# Allegro board RK_EVB7_RK3588_LP4XD200P232SD8_V11_20230111YWQ.brd (continued)
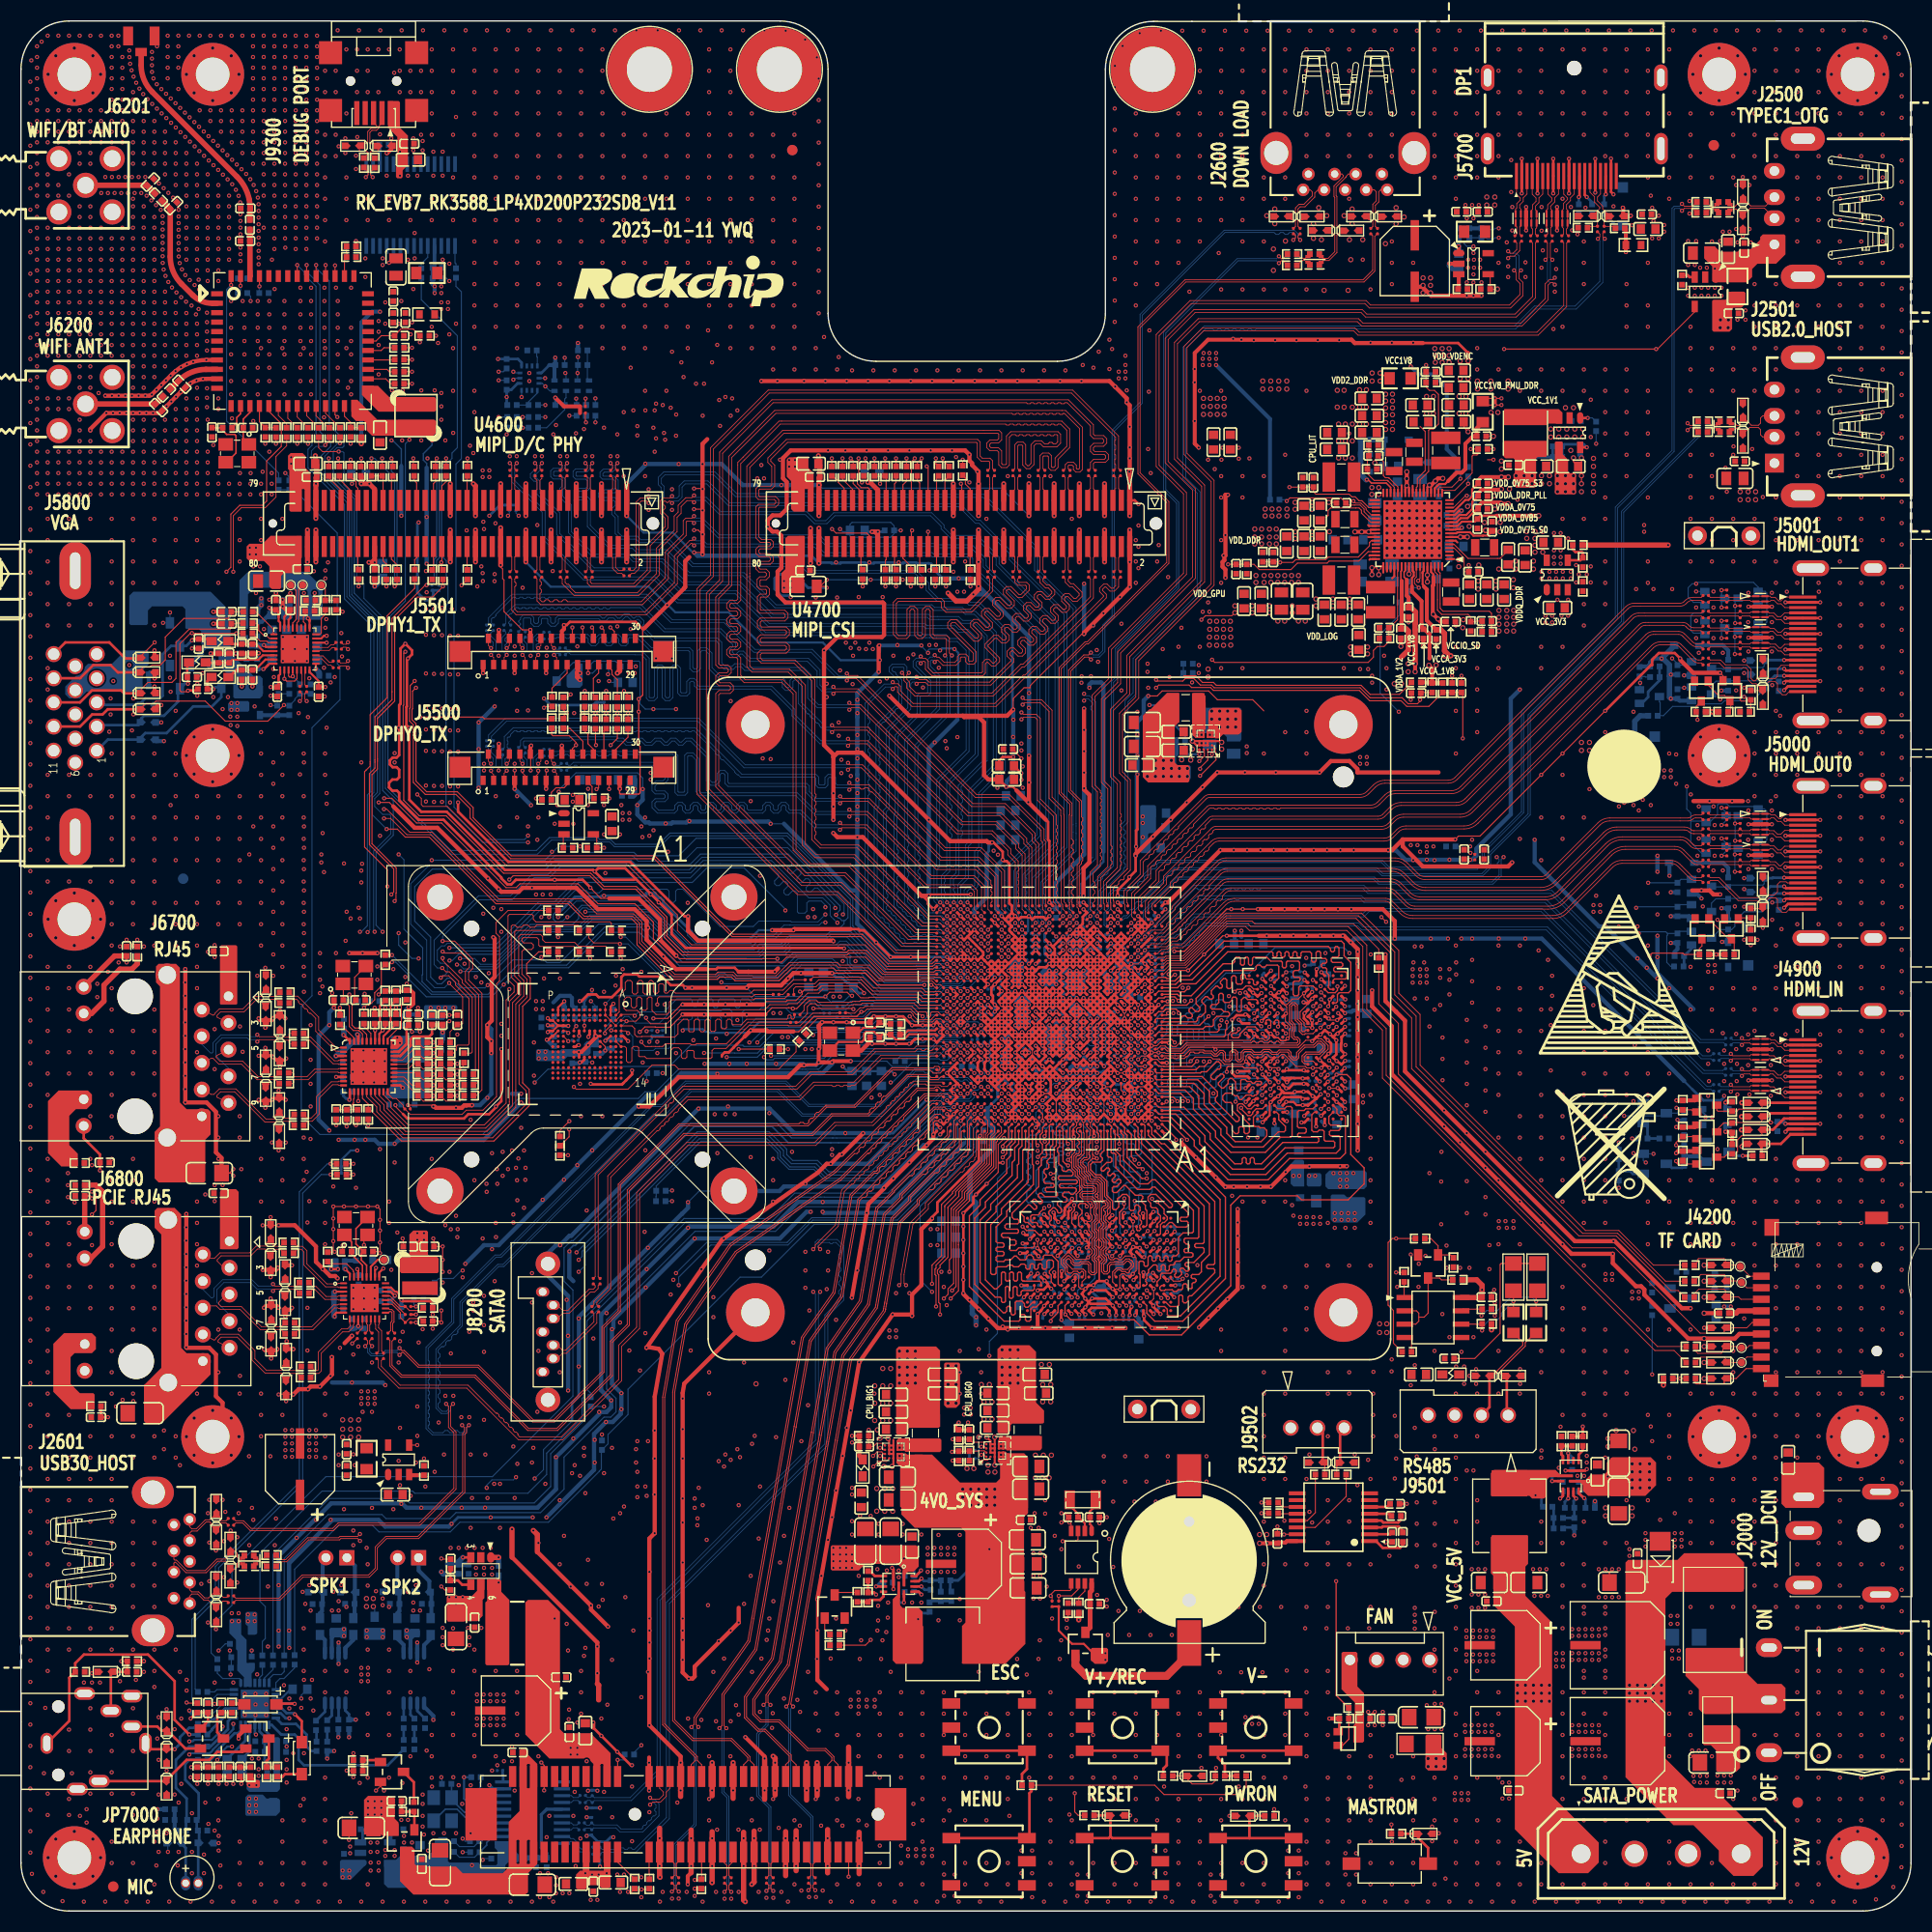
[diagram p0: board, top side]
## Routing (per net, layer and track width the routed paths; a pad name or vN(x,y) marks a point on that pad's centre or on a via; arc(x,y) is an arc through that point) (continued)
N63228233: length 1
  TOP w0.102: v1(99.43,65.55) 99.43,65.53 99.75,65.21 U3801.T2
  BOTTOM w0.102: v1(99.43,65.55) 99.67,65.79 R3817.1
N63228239: length 1.1
  TOP w0.102: v1(105.19,65.58) U3801.G2
  BOTTOM w0.102: R3816.2 105.46,65.85 v1(105.19,65.58)
N63228245: length 1.3
  TOP w0.102: U3801.A5 v1(109.82,63.1)
  BOTTOM w0.102: R3818.2 110.26,62.67 v1(109.82,63.1)
N63228247: length 2
  TOP w0.102: U3801.A8 109.5,60.24 109.75,59.98 110.29,59.98
  TOP w0.104: 110.29,59.98 110.41,59.98 v1(110.64,60.21)
  BOTTOM w0.102: R3819.2 110.29,60.24
  BOTTOM w0.104: v1(110.64,60.21) 110.62,60.24 110.29,60.24
N63380732: length 1
  TOP w0.102: U3800.T2 v1(117.43,79.66)
  BOTTOM w0.102: v1(117.43,79.66) 117.3,79.8 R3807.1
N63380738: length 0.9
  TOP w0.102: U3800.G2 v1(117.48,84.89)
  BOTTOM w0.102: v1(117.48,84.89) 117.46,84.88 R3806.2
N63380744: length 1.1
  TOP w0.089: U3800.A5 v1(120.49,89.4)
  BOTTOM w0.102: R3809.2 121.03,89.47 120.56,89.47 v1(120.49,89.4)
N63380746: length 0.9
  TOP w0.254: v1(122.26,89.38) U3800.A8
  BOTTOM w0.102: v1(122.26,89.38) 122.18,89.47 121.84,89.47 R3810.2
N65887084: length 0.9
  TOP w0.254: U1000.W8 v1(104.44,85.65)
  BOTTOM w0.254: R1200.1 104.43,85.64 v1(104.44,85.65)

## Copper pours and planes (outline as drawn; the poured copper is in the pictures)
GND on TOP (solid shape): 89.43,52.11 89.43,48.3 89.05,47.92 88.16,47.92 87.91,48.17 87.91,52.11 88.04,52.24 89.31,52.24
GND on L6-S2 (solid shape): 72.64,40.04 72.66,39.93 72.56,39.87 61.07,39.87 60.38,40.56 60.36,40.67 60.46,40.73 71.95,40.73
GND on L6-S2 (solid shape): 125.83,63.97 125.93,63.91 125.91,63.8 115.11,53 113.79,53 113.7,53.06 113.72,53.17 124.52,63.97
GND on L6-S2 (solid shape): 80.08,37.93 80.08,37.42 80.89,36.61 80.91,36.5 80.82,36.44 80.76,36.44 79.12,38.08 79.09,38.19 79.19,38.25 79.76,38.25
GND on L6-S2 (solid shape): 80.8,43.41 80.8,43.34 80.8,43.29 80.78,43.21 80.7,43.17 78.33,43.17 78.32,43.16 78.18,43.16 78.17,43.17 77.98,43.17 77.65,43.5 77.63,43.61 77.72,43.67 80.54,43.67
GND on L6-S2 (solid shape): 84.94,78.07 85.03,78.01 85.01,77.89 80.69,73.57 77.01,73.57 76.73,73.3 76.73,71.82 77.46,71.09 77.48,70.98 77.38,70.92 76.74,70.92 72.67,74.98 69.02,74.98 68.93,75.04 68.95,75.16 69.96,76.16 74.41,76.16 76.31,78.07
GND on L6-S2 (solid shape): 84.39,81.88 86.42,81.88 86.44,81.88 87.79,81.88 87.81,81.88 88.29,81.88 88.38,81.82 88.36,81.71 88.17,81.52 86.47,81.52 86.42,81.52 77.03,81.52 75.95,80.45 74.81,80.45 73.09,78.73 60.18,78.73 60.05,78.86 60.03,78.97 60.12,79.03 72.9,79.03 74.55,80.69 75.06,80.69 75.84,81.47 75.84,82.28 80.48,82.28 80.98,82.77 83.51,82.77
GND on L6-S2 (solid shape): 67.35,83.91 68.69,83.91 68.87,84.09 71.48,84.09 71.57,84.03 71.55,83.92 71.31,83.68 69.03,83.68 68.65,83.3 66.48,83.3 66.06,83.42 65.84,83.04 65.82,82.96 65.74,82.92 65.62,82.92 64.88,83.66 61.02,83.66 60.95,83.73 60.96,83.76 60.95,83.85 60.92,83.95 60.93,84.05 61.01,84.09 67.17,84.09
GND on L6-S2 (solid shape): 88.39,43.14 88.48,43.1 88.49,43 88.73,42.63 88.97,43 88.98,43.1 89.07,43.14 91.19,43.14 91.24,43.11 91.23,43.06 91.2,43.03 91.18,43 89.43,43 88.59,42.16 83.1,42.16 83.05,42.11 82.79,42.11 82.78,42.11 81.69,42.11 81.53,42.27 81.53,42.34 81.53,42.39 81.55,42.47 81.63,42.51 81.9,42.51 82.54,43.14
GND on L6-S2 (solid shape): 88.48,79.93 88.55,79.9 88.58,79.82 88.58,79.78 88.55,79.7 88.48,79.67 86.79,79.67 86.73,79.61 86.47,79.61 86.42,79.62 86.3,79.62 85.16,78.48 79.38,78.48 79.28,78.54 79.31,78.65 80.56,79.91 82.86,79.91 82.94,79.86 82.95,79.77 83.2,79.41 83.45,79.77 83.46,79.86 83.55,79.91 86.42,79.91 86.47,79.91 86.69,79.91 86.7,79.93
GND on L6-S2 (solid shape): 79.53,81.11 79.54,81.11 79.57,81.11 79.6,81.09 79.62,81.07 79.63,81.04 79.63,81.01 79.63,80.98 79.61,80.95 79.6,80.94 78.34,79.68 75.19,79.68 73.37,77.86 51.14,77.86 50.5,78.51 52.39,78.51 52.39,78.46 52.4,78.42 52.41,78.38 52.44,78.34 52.47,78.3 52.5,78.27 52.54,78.25 52.58,78.23 52.63,78.22 52.68,78.22 52.72,78.23 52.77,78.25 52.81,78.27 52.84,78.3 52.87,78.34 52.89,78.38 52.91,78.42 52.92,78.46 52.92,78.51 52.91,78.56 52.89,78.6 52.87,78.64 52.84,78.68 52.81,78.71 52.77,78.73 52.72,78.74 52.68,78.75 52.63,78.75 52.58,78.74 52.54,78.73 52.5,78.71 52.47,78.68 52.44,78.64 52.41,78.6 52.4,78.56 52.39,78.51 50.5,78.51 50.15,78.86 50.14,78.87 50.12,78.9 50.12,78.93 50.12,78.96 50.13,78.99 50.15,79.01 50.17,79.02 50.2,79.03 50.22,79.03 59.23,79.03 59.24,78.96 59.26,78.91 59.28,78.86 59.31,78.82 59.35,78.78 59.39,78.74 59.44,78.72 59.49,78.7 59.54,78.68 59.6,78.68 59.65,78.69 60.01,78.32 73.26,78.32 74.98,80.04 76.12,80.04 76.54,80.45 77.99,80.45 77.99,80.41 78,80.36 78.02,80.32 78.04,80.28 78.07,80.24 78.1,80.21 78.15,80.19 78.19,80.17 78.23,80.17 78.28,80.17 78.33,80.17 78.37,80.19 78.41,80.21 78.45,80.24 78.48,80.28 78.5,80.32 78.51,80.36 78.52,80.41 78.52,80.45 78.51,80.5 78.5,80.54 78.48,80.58 78.45,80.62 78.41,80.65 78.37,80.67 78.33,80.69 78.28,80.7 78.23,80.7 78.19,80.69 78.15,80.67 78.1,80.65 78.07,80.62 78.04,80.58 78.02,80.54 78,80.5 77.99,80.45 76.54,80.45 77.2,81.11
GND on L6-S2 (solid shape): 88.93,69.65 88.94,69.66 88.97,69.67 89,69.68 89.02,69.67 89.05,69.66 89.08,69.64 89.09,69.62 89.1,69.59 89.1,69.57 89.1,60.72 89.1,60.71 89.09,60.68 89.08,60.66 89.05,60.64 89.02,60.63 89,60.62 88.97,60.63 88.94,60.64 88.93,60.65 88.77,60.81 88.77,60.86 88.77,60.92 88.76,60.97 88.74,61.02 88.71,61.06 88.68,61.11 88.65,61.14 88.6,61.17 88.56,61.2 88.51,61.22 88.46,61.22 88.4,61.23 88.35,61.22 88.3,61.21 88.25,61.19 88.21,61.16 88.17,61.12 88.13,61.08 88.11,61.04 88.08,60.99 88.07,60.94 88.06,60.89 88.07,60.84 88.08,60.78 88.09,60.73 88.12,60.69 88.15,60.65 88.18,60.61 88.23,60.58 88.27,60.55 88.32,60.53 88.37,60.52 88.43,60.52 88.48,60.52 88.85,60.15 88.85,59.54 88.85,59.53 88.84,59.5 88.82,59.48 88.8,59.46 88.77,59.45 88.74,59.44 88.7,59.45 84.71,63.44 86.37,63.44 86.37,63.39 86.38,63.34 86.4,63.3 86.42,63.26 86.45,63.23 86.49,63.2 86.53,63.17 86.57,63.16 86.62,63.15 86.66,63.15 86.71,63.16 86.75,63.17 86.79,63.2 86.83,63.23 86.86,63.26 86.88,63.3 86.9,63.34 86.9,63.39 86.9,63.44 87.01,63.44 87.01,63.39 87.02,63.34 87.03,63.3 87.06,63.26 87.09,63.23 87.12,63.2 87.16,63.17 87.21,63.16 87.25,63.15 87.3,63.15 87.34,63.16 87.39,63.17 87.43,63.2 87.46,63.23 87.49,63.26 87.52,63.3 87.53,63.34 87.54,63.39 87.54,63.44 87.53,63.48 87.52,63.53 87.49,63.57 87.46,63.6 87.43,63.63 87.39,63.65 87.34,63.67 87.3,63.68 87.25,63.68 87.21,63.67 87.16,63.65 87.12,63.63 87.09,63.6 87.06,63.57 87.03,63.53 87.02,63.48 87.01,63.44 86.9,63.44 86.9,63.48 86.88,63.53 86.86,63.57 86.83,63.6 86.79,63.63 86.75,63.65 86.71,63.67 86.66,63.68 86.62,63.68 86.57,63.67 86.53,63.65 86.49,63.63 86.45,63.6 86.42,63.57 86.4,63.53 86.38,63.48 86.37,63.44 84.71,63.44 83.71,64.43 84.24,64.96 86.37,64.96 86.37,64.91 86.38,64.87 86.4,64.83 86.42,64.79 86.45,64.75 86.49,64.72 86.53,64.7 86.57,64.68 86.62,64.67 86.66,64.67 86.71,64.68 86.75,64.7 86.79,64.72 86.83,64.75 86.86,64.79 86.88,64.83 86.9,64.87 86.9,64.91 86.9,64.96 87.01,64.96 87.01,64.91 87.02,64.87 87.03,64.83 87.06,64.79 87.09,64.75 87.12,64.72 87.16,64.7 87.21,64.68 87.25,64.67 87.3,64.67 87.34,64.68 87.39,64.7 87.43,64.72 87.46,64.75 87.49,64.79 87.52,64.83 87.53,64.87 87.54,64.91 87.54,64.96 87.53,65.01 87.52,65.05 87.49,65.09 87.46,65.13 87.43,65.16 87.39,65.18 87.34,65.19 87.3,65.2 87.25,65.2 87.21,65.19 87.16,65.18 87.12,65.16 87.09,65.13 87.06,65.09 87.03,65.05 87.02,65.01 87.01,64.96 86.9,64.96 86.9,65.01 86.88,65.05 86.86,65.09 86.83,65.13 86.79,65.16 86.75,65.18 86.71,65.19 86.66,65.2 86.62,65.2 86.57,65.19 86.53,65.18 86.49,65.16 86.45,65.13 86.42,65.09 86.4,65.05 86.38,65.01 86.37,64.96 84.24,64.96
GND on TOP: 133.63,144.31 133.63,141.52 133.76,141.39 134.39,141.39 134.77,141.77 134.77,144.31 134.65,144.44 133.76,144.44
VCC1V8_PMU_DDR_S3 on TOP: 138.58,144.31 141.12,144.31 141.25,144.19 141.25,143.42 141.12,143.3 138.58,143.3
VCC1V8_PMU_DDR_S3 on TOP: 128.55,146.73 130.71,146.73 130.84,146.6 130.84,145.33 128.55,145.33 128.3,145.58 128.3,146.47
VCC1V8_PMU_DDR_S3 on L3-POWER1: 147.47,120.12 147.47,132.37 145.82,134.03 143.41,134.03 138.46,138.98 138.46,138.85 131.98,145.33 128.68,145.33 128.3,145.71 128.3,150.41 128.8,150.92 138.71,150.92 141.44,148.19 146.9,148.19 153.44,141.65 153.44,130.22 150.27,127.04 150.27,110.91 149.89,110.53 149.89,107.23 149,106.34 147.85,106.34 147.5,106.69 147.5,120.09
VCC1V8_PMU_DDR_S3 on L3-POWER1: 98.83,57.19 99.21,57.57 99.21,58.71 99.09,58.84 99.09,63.29 99.59,63.79 99.59,66.21 99.28,66.53 99.28,67.54 100.74,69 104.67,69 106.07,70.4 111.02,70.4 112.29,69.13 114.2,69.13 114.45,69.38 123.34,69.38 123.72,69.76 123.72,71.41 121.95,73.19 116.36,73.19 113.06,76.49 113.06,85.13 113.56,85.64 113.56,92.62 116.36,95.42 116.36,95.54 124.8,103.99 124.8,106.02 126.9,108.12 126.9,110.02 127.28,110.4 128.17,110.4 128.42,110.15 128.42,102.53 127.53,101.64 127.53,100.62 120.8,93.89 120.8,90.59 120.04,89.83 117.5,89.83 116.36,88.69 116.36,86.78 117.25,85.89 117.25,85.26 117.63,84.88 118.9,84.88 119.28,85.26 119.28,85.51 119.53,85.77 123.98,85.77 124.23,85.51 124.23,85.26 124.36,85.13 124.99,85.13 125.12,85.26 125.63,85.26 125.76,85.38 125.76,85.77 125.88,85.89 126.52,85.89 126.64,85.77 126.64,78.4 126.26,78.02 125.88,78.02 125.25,78.65 125.25,79.03 124.61,79.67 124.49,79.67 123.98,79.16 123.98,78.91 123.85,78.78 122.71,78.78 122.58,78.91 120.29,78.91 120.04,78.65 119.66,78.65 119.41,78.91 117.37,78.91 116.99,78.53 116.99,78.15 116.36,77.51 116.36,76.37 117.63,75.1 125.12,75.1 125.5,74.72 125.5,68.37 123.22,66.08 109.88,66.08 108.86,67.1 107.34,67.1 106.71,66.46 106.71,65.57 106.07,64.94 106.07,63.03 106.58,62.52 106.58,59.48 106.07,58.97 105.69,58.97 105.56,58.84 105.56,58.21 105.69,58.08 105.94,58.08 106.45,57.57 106.45,56.56 106.2,56.3 99.59,56.3 99.34,56.05 98.96,56.05 98.83,56.17
VCC1V8_PMU_DDR_S3 on L6-S2: 131.09,109.64 130.45,109.01 127.41,109.01 127.15,109.26 127.15,111.67 128.55,113.07 131.6,113.07 132.23,113.71 143.41,113.71 143.47,113.64 149.19,113.64 149.89,112.94 149.89,110.66 148.87,109.64
VCC1V8_PMU_DDR_S3 on L6-S2: 91.72,83.86 91.72,81.45 91.59,81.32 91.08,81.32 90.7,81.7 90.7,82.21 87.27,82.21 87.15,82.34 87.15,82.72 87.4,82.97 90.07,82.97 91.08,83.99 91.59,83.99
VCC1V8_RX_AVCC on BOTTOM: 27.84,122.47 27.71,122.34 27.71,120.18 27.84,120.06 28.98,120.06 29.36,120.44 29.36,120.94 29.24,121.07 28.85,121.07 28.6,121.33 28.6,122.47
VCC1V8_RX_IVDD on BOTTOM (solid shape): 25.88,124.93 25.88,123.18 25.68,122.98 24.92,122.98 24.79,123.1 24.79,123.74 24.54,123.99 24.54,124.88 24.79,125.14 25.68,125.14
VCC1V8_RX_IVDD on L3-POWER1: 23.52,122.85 23.52,119.67 23.39,119.55 23.39,116.63 23.77,116.25 25.17,116.25 25.55,116.63 25.55,125.01 25.43,125.14 24.28,125.14 24.16,125.01 24.16,123.48
VCC3V3_LCD on BOTTOM (solid shape): 53.49,118.75 53.49,116.75 53.24,116.5 52.1,116.5 51.97,116.63 51.97,117.64 52.88,118.55 52.88,118.81 53.44,118.81
VCC3V3_LCD on TOP: 53.24,108.12 53.24,107.23 53.62,106.85 53.62,105.45 52.35,104.18 51.33,104.18 51.08,104.43 51.08,104.82 51.33,105.07 52.22,105.07 52.35,105.2 52.35,106.97 52.73,107.36 52.73,108.12
VCC3V3_LCD on BOTTOM: 53.69,107.3 53.62,107.23 53.62,105.83 53.24,105.45 52.35,105.45 52.22,105.58 52.22,107.23 52.86,107.86 53.62,107.86 53.69,107.79
VCC3V3_LCD on L4-GND2: 54.76,117.77 54.76,106.59 54.13,105.96 51.71,105.96 51.46,106.21 51.46,117.77 51.97,118.28 54.25,118.28
VCC3V3_PCIE30 on TOP (solid shape): 56.16,3.6 56.16,2.33 56.03,2.2 55.27,2.2 55.02,2.45 54.13,2.45 53.75,2.07 52.98,2.07 52.86,2.2 52.86,3.47 53.24,3.85 55.91,3.85
VCC3V3_PCIE30 on TOP (solid shape): 51.33,28.49 51.33,17.31 51.71,16.93 54.25,16.93 56.16,15.03 56.16,11.85 55.52,11.85 55.46,11.91 55.46,13.94 55.4,14.01 55.27,14.01 55.17,13.91 55.17,11.85 54.51,11.85 54.51,14.01 54.23,14.29 54,14.6 53.63,14.52 50.32,14.52 48.03,16.8 48.03,29.38 48.29,29.63 50.19,29.63
VCC3V3_PCIE30 on L3-POWER1: 56.29,3.6 55.91,3.22 51.71,3.22 48.41,6.52 48.41,15.66 49.3,16.55 52.86,16.55 53.24,16.17 53.24,14.65 52.86,14.26 51.97,14.26 51.59,13.88 51.59,10.84 51.97,10.45 51.97,8.3 54.76,5.5 55.91,5.5 56.29,5.12
VCC3V3_PHY0 on BOTTOM: 31.01,84.37 30.12,84.37 28.73,82.97 28.73,75.48 29.62,74.59 30.25,74.59 30.76,75.1 30.76,76.37 31.52,77.13 31.52,77.38 31.39,77.51 31.14,77.51 31.01,77.64 31.01,78.27 30.89,78.4 29.62,78.4 29.49,78.53 29.49,82.59 30,83.1 30.89,83.1 31.14,83.35 31.14,84.24
VCC3V3_PHY0 on BOTTOM: 37.74,85.64 38,85.64 38,85 37.87,84.88 32.79,84.88 31.01,83.1 30.38,83.1 30.25,83.23 30.25,84.11 30.51,84.37 31.27,84.37 32.41,85.51 35.97,85.51 36.73,86.27 37.11,86.27
VCC3V3_PHY1 on L6-S2: 35.59,59.48 34.44,59.48 34.32,59.6 31.27,59.6 31.14,59.48 29.62,59.48 29.24,59.1 29.24,56.3 29.49,56.05 32.16,56.05 32.41,55.79 32.41,55.29 32.28,55.16 27.97,55.16 27.71,55.41 27.71,59.1 30,61.38 31.65,61.38 32.54,60.49 37.11,60.49 38.51,59.1 38.51,56.81 38.25,56.56 36.6,56.56 36.09,57.06 36.09,58.97
VCC3V3_PI6C_05 on BOTTOM (solid shape): 40.67,6.9 40.67,4.74 40.79,4.61 43.59,4.61 43.84,4.36 45.24,4.36 45.36,4.49 45.36,5.76 45.11,6.01 45.11,6.64 46.76,6.64 46.76,6.01 47.4,5.37 47.4,4.74 47.27,4.61 46.38,4.61 46.13,4.36 46.13,2.45 45.87,2.2 34.95,2.2 34.57,2.58 34.57,4.87 35.71,4.87 36.09,5.25 38.76,5.25 39.4,5.88 39.4,6.64 39.78,7.03 40.54,7.03
VCC3V3_SD_S0 on TOP: 161.95,57.7 161.95,57.57 162.33,57.19 162.33,56.68 162.46,56.56 163.22,56.56 163.22,57.7 163.09,57.83 162.08,57.83
VCC3V3_SD_S0 on BOTTOM: 162.71,57.06 163.09,57.44 163.09,59.48 162.84,59.73 160.81,59.73 160.55,59.48 160.17,59.48 159.79,59.86 159.79,60.62 159.16,61.25 158.39,61.25 158.27,61.13 158.27,58.33 158.78,57.83 159.92,57.83 160.3,57.44 160.55,57.44 160.93,57.06
VCC3V3_VGA on L3-POWER1: 22.38,118.15 22.5,118.02 23.14,118.02 23.27,118.15 23.27,122.72 23.9,123.36 23.9,124.25 23.77,124.37 23.01,124.37 21.74,123.1 21.74,118.66 22.25,118.15
VCC3V3_WL_VBAT on TOP: 32.41,154.73 32.41,153.84 32.54,153.71 34.7,153.71 34.82,153.84 35.71,153.84 37.11,155.23 38.13,155.23 38.25,155.36 38.25,156.5 38.13,156.63 36.6,156.63 36.22,156.25 35.08,156.25 33.68,154.85 32.54,154.85
VCC4V0_SYS on TOP (solid shape): 86.26,43.09 86.26,38.52 86.13,38.39 83.85,38.39 83.72,38.52 83.72,42.33 83.36,42.69 83.36,42.84 84.23,42.84 84.23,43.47 85.88,43.47
VCC4V0_SYS on TOP (solid shape): 116.26,114.34 116.26,112.31 116,112.05 114.48,112.05 114.1,111.67 113.72,111.67 113.72,112.5 113.15,112.5 113.08,112.56 113.08,114.21 113.46,114.59 116,114.59
VCC4V0_SYS on TOP (solid shape): 95.91,43.22 95.91,38.39 95.78,38.27 93.5,38.27 93.24,38.52 93.24,42.59 93.02,42.81 93.02,42.97 93.82,42.97 93.82,43.6 95.53,43.6
VCC4V0_SYS on TOP (solid shape): 146.84,139.87 146.84,138.72 147.35,138.22 147.35,137.07 147.47,136.95 147.93,136.95 148.11,136.77 148.11,135.04 147.98,134.91 146.2,134.91 146.08,135.04 146.08,139.87 146.15,139.95 146.76,139.95
VCC4V0_SYS on TOP (solid shape): 89.43,40.81 92.86,40.81 94.01,41.95 94.01,42.71 94.39,43.09 95.78,43.09 95.91,42.97 95.91,37.89 95.66,37.63 95.59,37.63 95.59,37.56 95.53,37.51 95.53,30.52 95.66,30.39 95.66,25.44 93.75,23.54 89.69,23.54 89.57,23.65 89.6,23.71 89.61,23.71 89.61,27.14 89.94,27.47 89.94,36.11 89.56,36.49 85.12,36.49 83.85,37.76 83.85,42.71 84.35,42.71 85.11,43.47 86.77,43.47
VCC4V0_SYS on BOTTOM (solid shape): 32.92,4.74 32.92,4.49 31.39,2.96 30.51,2.96 30.38,3.09 30.38,4.74 30.51,4.87 32.79,4.87
VCC4V0_SYS on BOTTOM (solid shape): 116.23,114.47 116.23,111.55 116.1,111.42 114.83,111.42 114.83,111.8 114.45,112.18 112.67,112.18 112.42,112.44 112.42,114.47 112.55,114.59 116.1,114.59
VCC4V0_SYS on L4-GND2 (solid shape): outline of 19977 points within 80.42,30.52 157.76,161.58
VCC4V0_SYS on TOP: 130.54,127.51 130.54,128.44 129.69,128.44 129.44,128.18 128.55,128.18 128.42,128.06 128.42,127.17 128.68,126.91 129.95,126.91
VCC4V0_SYS on TOP: 128.68,134.66 130.19,134.66 130.19,135.69 130.07,135.8 128.55,135.8 128.42,135.68 128.42,134.91
VCC4V0_SYS on TOP: 135.66,128.56 135.66,128.82 136.55,128.82 136.68,128.95 137.06,128.95 137.19,128.82 137.19,127.93 137.06,127.8 136.42,127.8
VCC4V0_SYS on BOTTOM: 128.04,135.8 129.57,135.8 129.69,135.68 129.69,133.64 129.57,133.52 128.3,133.52 127.91,133.9 127.91,135.68
VCC4V0_SYS on BOTTOM: 133.88,126.28 133.63,126.53 133.63,127.42 133.76,127.55 135.28,127.55 135.53,127.8 135.53,128.06 135.66,128.18 136.42,128.18 136.55,128.31 136.55,129.33 136.8,129.58 136.8,130.98 136.93,131.1 137.95,131.1 138.07,130.98 138.07,130.72 137.95,130.6 137.95,128.56 136.93,127.55 136.93,126.53 136.68,126.28
VCC4V0_SYS on BOTTOM: 130.71,136.95 130.58,136.82 130.58,135.8 130.84,135.55 132.36,135.55 132.61,135.8 133.76,135.8 134.26,135.3 135.28,135.3 135.41,135.42 135.41,135.8 135.66,136.06 135.66,136.82 135.41,137.07 133.5,137.07 132.93,137.64 132.93,139.04 132.61,139.36 130.45,139.36 130.33,139.23 130.33,138.6 130.71,138.22
VCC4V0_SYS on BOTTOM: 125.88,131.49 125.88,130.09 126.01,129.96 128.17,129.96 128.3,130.09 128.3,130.98 128.55,131.23 128.55,131.49 128.42,131.61 126.01,131.61
VCC4V0_SYS on BOTTOM: 128.55,128.18 129.57,128.18 129.82,127.93 129.82,127.17 131.09,127.17 131.22,127.04 131.22,126.15 131.09,126.02 130.84,126.02 130.84,123.48 128.3,120.94 126.52,120.94 125.88,120.31 125.88,119.17 118.26,111.55 114.96,111.55 114.83,111.67 114.83,111.8 114.45,112.18 112.67,112.18 112.42,112.44 112.42,114.47 112.93,114.98 114.83,114.98 123.72,123.87 123.72,126.41 124.36,127.04 126.77,127.04 126.9,127.17 128.04,127.17 128.42,127.55 128.42,128.06
VCC4V0_SYS on L3-POWER1: 117.56,136.25 121.06,132.76 121.06,130.6 126.14,125.52 135.15,125.52 138.07,128.44 138.07,130.98 137.82,131.23 136.93,131.23 136.68,131.49 136.68,140.12 131.72,145.07 128.55,145.07 127.91,145.71 127.91,146.09 127.66,146.34 118.14,146.34 117.56,145.77
VCC4V0_SYS on L3-POWER1: 83.08,19.22 83.08,5.37 83.46,4.99 90.32,4.99 90.7,5.37 90.7,32.3 93.12,34.71 93.12,40.17 92.86,40.43 85.12,40.43 83.46,38.78 83.46,37.63 83.34,37.51 83.34,31.66 83.46,31.54 83.46,29.89 83.34,29.76 83.34,19.47
VCC4V0_SYS on L6-S2: 30.31,1.76 30.89,1.18 60.1,1.18 62,3.09 86.64,3.09 87.15,3.6 87.15,7.91 86.77,8.3 60.6,8.3 57.18,4.87 49.3,4.87 46.38,7.79 31.01,7.79 30.31,7.09
VCC5V0_FT232 on TOP (solid shape): 36.09,172.25 36.09,169.84 36.86,169.08 36.86,166.28 36.35,165.78 36.35,165.14 36.22,165.01 35.84,165.01 35.71,165.14 35.71,167.3 35.84,167.43 35.84,168.95 34.95,169.84 34.95,172.38 35.97,172.38
VCC5V0_USB20_HOST on TOP (solid shape): 168.05,159.55 168.05,157.77 167.16,156.89 165.38,156.89 164.87,156.38 164.87,155.62 164.36,155.11 161.19,155.11 161.06,155.23 161.06,156.63 160.3,157.39 160.3,158.54 161.32,158.54 161.82,158.03 163.47,158.03 163.73,158.28 164.74,158.28 165.63,159.17 165.63,159.43 165.89,159.68 167.92,159.68
VCC5V0_USB20_HOST on TOP: 163.86,138.47 165.51,138.47 165.89,138.85 167.67,138.85 167.92,138.6 167.92,136.69 167.67,136.44 166.14,136.44 165.51,135.8 165.51,134.28 165.25,134.03 163.73,134.03 163.47,134.28 163.47,137.33 163.86,137.71
VCC5V0_USB20_HOST on L3-POWER1: 168.55,137.07 167.54,136.06 163.98,136.06 163.35,135.42 163.35,133.01 164.24,132.12 165.51,132.12 166.27,131.36 173.25,131.36 174.27,132.37 174.27,148.5 164.49,158.28 161.44,158.28 160.93,157.77 160.93,156.25 165.82,151.36 165.82,147.42 168.55,144.69
VCC5V0_USB30_HOST1 on TOP: 137.82,160.82 137.95,160.7 137.95,158.03 137.44,157.52 132.99,157.52 132.23,158.28 132.23,161.46 128.93,164.76 128.93,166.03 129.18,166.28 130.84,166.28 132.23,164.89 132.87,164.89 135.53,162.22 137.06,162.22 137.06,161.33 137.57,160.82
VCC5V0_USB30_HOST2 on TOP: 26.06,41.06 28.98,41.06 29.74,41.82 31.78,41.82 32.54,42.59 34.95,42.59 35.33,42.2 35.33,39.16 30.51,39.16 29.36,38.01 23.14,38.01 21.36,39.79 17.68,39.79 15.52,37.63 15.52,36.74 14.88,36.11 14.25,36.11 13.87,36.49 13.87,38.27 14.88,39.28 14.88,40.05 16.79,41.95 25.17,41.95
VCC5V0_VGA on BOTTOM (solid shape): 19.96,123.74 19.96,119.8 20.15,119.62 20.16,119.59 20.19,119.55 20.22,119.51 20.26,119.48 20.3,119.45 20.33,119.43 21.11,118.66 21.11,118.66 21.62,118.66 21.74,118.53 21.74,118.02 22.12,117.64 22.76,117.64 23.01,117.39 23.01,115.74 22.76,115.48 20.35,115.48 20.22,115.61 20.22,116.65 20.68,116.65 20.68,116.6 20.69,116.55 20.7,116.5 20.73,116.45 20.75,116.41 20.79,116.37 20.83,116.33 20.88,116.31 20.93,116.29 20.98,116.28 21.03,116.27 21.08,116.28 21.14,116.29 21.18,116.31 21.23,116.33 21.27,116.37 21.31,116.41 21.34,116.45 21.36,116.5 21.38,116.55 21.38,116.6 21.38,116.65 21.69,116.65 21.69,116.6 21.7,116.55 21.72,116.5 21.74,116.45 21.77,116.41 21.81,116.37 21.85,116.33 21.89,116.31 21.94,116.29 21.99,116.28 22.05,116.27 22.1,116.28 22.15,116.29 22.2,116.31 22.25,116.33 22.29,116.37 22.32,116.41 22.35,116.45 22.38,116.5 22.39,116.55 22.4,116.6 22.4,116.65 22.39,116.71 22.38,116.76 22.35,116.8 22.32,116.85 22.29,116.89 22.25,116.92 22.2,116.94 22.15,116.96 22.1,116.98 22.05,116.98 21.99,116.98 21.94,116.96 21.89,116.94 21.85,116.92 21.81,116.89 21.77,116.85 21.74,116.8 21.72,116.76 21.7,116.71 21.69,116.65 21.38,116.65 21.38,116.71 21.36,116.76 21.34,116.8 21.31,116.85 21.27,116.89 21.23,116.92 21.18,116.94 21.14,116.96 21.08,116.98 21.03,116.98 20.98,116.98 20.93,116.96 20.88,116.94 20.83,116.92 20.79,116.89 20.75,116.85 20.73,116.8 20.7,116.76 20.69,116.71 20.68,116.65 20.22,116.65 20.22,117.26 18.82,118.66 18.82,119.67 18.31,120.18 17.68,120.18 17.17,120.69 17.17,121.83 16.92,122.09 15.77,122.09 15.65,122.21 15.65,122.62 17.96,122.62 17.96,122.57 17.97,122.52 17.98,122.47 18.01,122.42 18.04,122.38 18.07,122.34 18.11,122.3 18.16,122.28 18.21,122.26 18.26,122.25 18.31,122.24 18.37,122.25 18.42,122.26 18.47,122.28 18.51,122.3 18.55,122.34 18.59,122.38 18.62,122.42 18.64,122.47 18.66,122.52 18.67,122.57 18.67,122.62 18.66,122.67 18.64,122.72 18.62,122.77 18.59,122.82 18.55,122.85 18.51,122.89 18.47,122.91 18.42,122.93 18.37,122.94 18.31,122.95 18.26,122.94 18.21,122.93 18.16,122.91 18.11,122.89 18.07,122.85 18.04,122.82 18.01,122.77 17.98,122.72 17.97,122.67 17.96,122.62 15.65,122.62 15.65,123.77 17.96,123.77 17.96,123.71 17.97,123.66 17.98,123.61 18.01,123.56 18.04,123.52 18.07,123.48 18.11,123.45 18.16,123.42 18.21,123.4 18.26,123.39 18.31,123.39 18.37,123.39 18.42,123.4 18.47,123.42 18.51,123.45 18.55,123.48 18.59,123.52 18.62,123.56 18.64,123.61 18.66,123.66 18.67,123.71 18.67,123.77 18.66,123.82 18.64,123.87 18.62,123.92 18.59,123.96 18.55,124 18.51,124.03 18.47,124.06 18.42,124.08 18.37,124.09 18.31,124.09 18.26,124.09 18.21,124.08 18.16,124.06 18.11,124.03 18.07,124 18.04,123.96 18.01,123.92 17.98,123.87 17.97,123.82 17.96,123.77 15.65,123.77 15.65,123.99 15.39,124.25 12.47,124.25 12.09,123.87 12.09,122.6 11.96,122.47 10.44,122.47 10.31,122.6 10.31,125.26 10.69,125.64 18.06,125.64
VCC5V0_VGA_CON on BOTTOM (solid shape): 12.15,119.99 12.15,118.72 11.58,118.15 11.58,117.39 11.58,117.01 11.58,116.37 11.33,116.12 6.25,116.12 5.61,115.48 4.6,115.48 4.22,115.86 4.22,116.63 4.97,117.38 6.3,117.38 6.3,117.3 6.32,117.21 6.34,117.13 6.37,117.05 6.41,116.97 6.45,116.9 6.5,116.83 6.56,116.77 6.62,116.71 6.69,116.65 6.76,116.61 6.84,116.57 6.92,116.54 7,116.51 7.09,116.5 7.17,116.49 7.26,116.49 7.34,116.5 7.43,116.51 7.51,116.54 7.59,116.57 7.67,116.61 7.74,116.65 7.81,116.71 7.87,116.77 7.93,116.83 7.98,116.9 8.02,116.97 8.06,117.05 8.09,117.13 8.09,117.16 8.44,117.16 8.44,117.11 8.44,117.06 8.46,117.01 8.48,116.96 8.51,116.91 8.55,116.88 8.59,116.84 8.63,116.82 8.68,116.8 8.74,116.78 8.79,116.78 8.84,116.78 8.89,116.8 8.94,116.82 8.99,116.84 9.03,116.88 9.07,116.91 9.09,116.96 9.12,117.01 9.13,117.06 9.14,117.11 9.14,117.16 9.13,117.21 9.12,117.26 9.09,117.31 9.07,117.36 9.03,117.39 8.99,117.43 8.94,117.45 8.89,117.47 8.84,117.48 8.79,117.49 8.74,117.48 8.68,117.47 8.63,117.45 8.59,117.43 8.55,117.39 8.51,117.36 8.48,117.31 8.46,117.26 8.44,117.21 8.44,117.16 8.09,117.16 8.11,117.21 8.12,117.3 8.13,117.38 8.13,117.47 8.12,117.55 8.1,117.64 8.07,117.72 8.04,117.8 8,117.88 7.95,117.95 7.9,118.01 7.84,118.07 7.77,118.13 7.7,118.18 7.63,118.22 7.55,118.26 7.47,118.28 7.38,118.3 7.3,118.32 7.21,118.32 7.13,118.32 7.04,118.3 6.96,118.28 6.88,118.26 6.8,118.22 6.73,118.18 6.65,118.13 6.59,118.07 6.53,118.01 6.48,117.95 6.43,117.88 6.39,117.8 6.35,117.72 6.33,117.64 6.31,117.55 6.3,117.47 6.3,117.38 4.97,117.38 5.23,117.64 5.29,117.65 5.38,117.66 5.46,117.69 5.53,117.72 5.61,117.76 5.68,117.8 5.75,117.85 5.81,117.91 5.87,117.97 5.92,118.04 5.96,118.11 6,118.18 6.03,118.26 6.05,118.34 6.07,118.43 6.08,118.49 6.25,118.66 9.96,118.66 9.96,118.61 9.97,118.55 9.99,118.51 10.02,118.46 10.05,118.42 10.09,118.38 10.14,118.35 10.18,118.33 10.23,118.31 10.29,118.31 10.34,118.31 10.39,118.31 10.44,118.33 10.49,118.35 10.53,118.38 10.57,118.42 10.6,118.46 10.63,118.51 10.65,118.55 10.66,118.61 10.67,118.66 10.66,118.71 10.65,118.76 10.63,118.81 10.6,118.86 10.57,118.9 10.53,118.94 10.49,118.97 10.44,118.99 10.39,119 10.34,119.01 10.29,119.01 10.23,119 10.18,118.99 10.14,118.97 10.09,118.94 10.05,118.9 10.02,118.86 9.99,118.81 9.97,118.76 9.96,118.71 9.96,118.66 6.25,118.66 6.38,118.79 8.66,118.79 9.93,120.06 12.09,120.06
VCC5V_HDMI_TX0 on BOTTOM: 167.16,95.67 167.79,95.67 167.92,95.8 168.05,95.8 168.17,95.67 168.17,94.4 166.65,92.88 163.98,92.88 163.86,93 163.86,94.53 164.24,94.91 166.4,94.91
VCC5V_HDMI_TX1 on BOTTOM: 168.17,116.37 168.17,115.23 165.89,112.94 160.43,112.94 158.9,111.42 155.09,111.42 155.09,112.44 157.51,114.85 165.13,114.85 165.89,115.61 166.78,115.61 167.03,115.86 167.03,116.37 167.16,116.5 168.05,116.5
VCC5V_HDMIRX_PORT on BOTTOM: 159.28,73.19 159.66,72.81 161.06,72.81 161.32,73.07 163.47,73.07 163.73,73.32 167.67,73.32 168.3,73.95 168.3,74.34 168.05,74.59 166.78,74.59 166.27,74.08 160.81,74.08 160.68,74.21 160.68,75.1 160.62,75.16 159.6,75.16 159.03,74.59 158.39,74.59 158.14,74.34 157.12,74.34 156.62,73.83 156.62,73.32 156.87,73.07 158.14,73.07 158.27,73.19 158.27,73.45 158.39,73.57 159.16,73.57 159.28,73.45
VCC12_VDCIN on TOP (solid shape): 171.73,42.2 171.73,38.9 171.22,38.39 168.05,38.39 167.67,38.78 167.67,42.46 167.92,42.71 171.22,42.71
VCC12_VDCIN on L3-POWER1: 173.76,40.68 174.4,40.05 174.4,15.15 172.49,13.25 165.38,13.25 162.46,16.17 162.46,39.28 163.86,40.68
VCC12V_DCIN on TOP (solid shape): 35.59,10.71 35.59,8.8 35.97,8.42 35.97,7.15 34.44,7.15 34.32,7.28 32.66,7.28 32.66,10.58 33.05,10.96 35.33,10.96
VCC12V_DCIN on TOP (solid shape): 74.64,130.91 74.64,128.12 74.57,128.06 74.57,125.52 72.54,125.52 72.42,125.64 72.42,127.42 72.8,127.8 72.8,130.72 73.05,130.98 74.57,130.98
VCC12V_DCIN on TOP (solid shape): 135.28,16.68 135.28,15.53 135.79,15.03 135.79,13.5 135.66,13.38 134.01,13.38 133.76,13.63 133.76,16.68 133.88,16.8 135.15,16.8
VCC12V_DCIN on TOP (solid shape): 44.13,31.62 44.13,29.8 43.97,29.63 43.97,28.11 43.46,27.6 40.67,27.6 40.54,27.73 40.54,29.89 40.67,30.01 42.95,30.01 43.43,30.49 43.43,31.63 43.46,31.66 44.09,31.66
VCC12V_DCIN on TOP (solid shape): 85.5,34.58 85.5,32.81 84.99,32.3 84.48,32.3 84.23,32.04 84.23,30.9 83.97,30.9 83.97,31.61 83.97,32.55 83.46,33.06 80.42,33.06 79.78,32.43 77.24,32.43 77.11,32.55 77.11,34.71 77.24,34.84 85.24,34.84
VCC12V_DCIN on TOP (solid shape): 155.73,42.71 155.73,40.55 154.71,39.54 149.25,39.54 148.74,40.05 148.74,40.55 148.49,40.81 147.47,40.81 147.47,41.06 148.06,41.06 149,41.06 149.5,41.57 150.77,41.57 151.03,41.82 151.03,42.71 151.54,43.22 155.22,43.22
VCC12V_DCIN on TOP (solid shape): 164.11,33.19 164.11,30.65 163.86,30.39 157.25,30.39 156.62,29.76 156.62,14.52 159.41,11.72 161.95,11.72 162.2,11.47 162.2,10.71 165.89,7.03 165.89,4.23 165,3.34 163.09,3.34 161.7,4.74 161.7,5.76 159.28,8.17 157.38,8.17 152.81,12.74 152.81,33.19 153.06,33.44 157.76,33.44 158.39,34.08 163.22,34.08
VCC12V_DCIN on TOP (solid shape): 26.74,130.94 26.74,128.86 26.7,128.82 26.7,127.55 26.57,127.42 25.04,127.42 24.79,127.17 24.79,126.02 24.66,125.9 23.9,125.9 23.65,126.15 23.65,128.06 23.14,128.56 21.74,128.56 21.49,128.82 21.49,129.96 21.74,130.22 22.76,130.22 22.97,130.22 23.14,130.34 23.78,130.98 26.7,130.98
VCC12V_DCIN on L4-GND2 (solid shape): outline of 44011 points within 6.88,3.72 168.3,131.87
VCC12V_DCIN on L3-POWER1: 82.32,23.03 82.32,19.85 80.8,18.33 76.86,18.33 74.45,20.74 74.45,34.08 75.21,34.84 80.29,34.84 80.54,34.58 80.54,24.81
VCC12V_DCIN on L4-GND2: 70.13,86.53 71.15,85.51 71.15,46.01 80.04,37.12 80.04,31.54 79.02,30.52 65.81,30.52 63.78,32.55 63.78,121.71 69.11,127.04 73.43,127.04 74.07,126.41 74.07,124.75 70.13,120.82
VCC12V_PCIE30 on TOP (solid shape): 48.29,15.28 48.29,14.9 49.17,14.01 49.17,4.49 48.29,3.6 48.29,1.82 48.03,1.56 37.36,1.56 36.09,2.83 36.09,6.14 37.24,6.14 37.49,5.88 37.49,4.49 37.62,4.36 38.51,4.36 38.63,4.23 41.43,4.23 42.06,3.6 45.87,3.6 46.44,4.17 46.44,6.67 47.17,6.67 47.17,4.58 47.27,4.49 47.4,4.49 47.47,4.56 47.47,6.66 48.17,6.66 48.17,4.52 48.21,4.49 48.41,4.49 48.47,4.55 48.47,6.71 48.41,6.77 48.29,6.77 48.17,6.66 47.47,6.66 47.47,6.69 47.4,6.77 47.27,6.77 47.17,6.67 46.44,6.67 46.44,8.49 47.47,9.51 47.47,13.93 48.17,13.93 48.17,11.77 48.25,11.69 48.38,11.69 48.47,11.78 48.47,13.95 48.41,14.01 48.25,14.01 48.17,13.93 47.47,13.93 47.47,15.36 47.52,15.41 48.16,15.41
VCC12VDC on TOP (solid shape): 164.11,22.9 165.38,21.63 167.67,21.63 168.05,21.25 168.05,19.22 167.67,18.84 160.17,18.84 159.79,19.22 159.79,21.12 158.52,22.39 158.52,24.93 158.65,25.06 164.11,25.06
VCC_1V1_NLDO_S3 on TOP (solid shape): 145.31,138.6 145.19,138.47 144.42,138.47 144.3,138.34 144.3,135.68 144.17,135.55 142.39,135.55 142.14,135.8 142.14,136.82 142.27,136.95 142.27,138.22 142.14,138.34 141.38,138.34 141.12,138.6 141.12,139.87 141.25,139.99 145.31,139.99
VCC_1V1_NLDO_S3 on BOTTOM: 136.42,133.39 136.42,131.61 136.55,131.49 138.2,131.49 139.85,129.83 142.52,129.83 143.34,130.66 143.34,132.95 144.17,133.77 144.17,136.95 144.04,137.07 142.27,137.07 141.88,136.69 141.88,135.42 140.74,135.42 138.71,133.39 137.57,133.39 137.31,133.64 136.68,133.64
VCC_1V8_S0 on BOTTOM (solid shape): 22.5,28.36 22.5,26.46 22.38,26.33 21.62,26.33 21.62,27.09 21.36,27.35 21.36,28.36 21.49,28.49 22.38,28.49
VCC_1V8_S0 on BOTTOM (solid shape): 105.24,90.02 105.47,90.02 105.5,89.98 105.54,89.95 105.56,89.87 105.53,89.8 105.41,89.55 105.56,89.23 105.53,89.15 105.42,88.85 105.62,88.6 105.63,88.49 105.69,88.38 105.69,88.04 105.69,88.03 105.67,87.93 105.69,87.83 105.69,87.8 105.76,87.71 105.82,87.67 105.94,87.54 105.94,86.95 105.82,86.82 105.4,86.82 105.18,87.04 104.8,87.04 104.67,87.16 104.67,87.37 104.72,87.43 104.75,87.5 104.93,87.67 104.93,89.45 104.9,89.48 104.9,89.49 104.76,89.63 104.76,89.64 104.58,89.85 104.31,89.85 104.28,89.84 104.17,89.96 104.17,90.34 104.29,90.46 104.8,90.46
VCC_1V8_S0 on TOP: 131.98,119.29 132.99,119.29 133.25,119.04 133.25,118.02 132.87,117.64 131.98,117.64 131.85,117.77 131.85,119.17
VCC_1V8_S0 on TOP: 44.98,147.87 44.98,144.44 45.87,143.55 48.79,143.55 49.17,143.93 50.19,143.93 50.57,143.55 50.83,143.55 51.21,143.93 51.21,148 50.95,148.25 45.36,148.25
VCC_1V8_S0 on BOTTOM: 133.5,118.91 133.5,101.51 133.25,101.26 131.6,101.26 131.34,101.51 131.34,115.74 131.85,116.25 131.85,118.91 132.11,119.17 133.25,119.17
VCC_1V8_S0 on L3-POWER1: 85.5,70.4 92.86,77.76 93.88,77.76 94.51,78.4 94.51,78.78 94.26,79.03 94.26,82.08 94.01,82.34 93.5,82.34 92.23,83.61 92.23,85.13 92.48,85.38 92.48,85.77 92.23,86.02 92.23,88.43 92.86,88.43 93.19,88.76 93.19,89.14 93.24,89.19 93.75,89.19 93.75,88.43 93.37,88.05 93.24,88.05 92.99,87.8 92.99,86.78 94.51,85.26 94.51,84.88 95.02,84.37 96.55,84.37 97.18,83.73 97.18,80.3 98.2,79.29 98.2,70.91 95.4,68.11 95.4,46.9 95.02,46.52 85.88,46.52 85.5,46.9
VCC_1V8_S0 on L4-GND2: 32.54,128.69 32.54,126.91 43.52,115.93 43.52,103.36 48.41,98.47 48.41,62.65 47.84,62.08 47.84,52.3 43.33,47.79 30.12,47.79 26.57,44.24 26.57,27.47 26.31,27.22 21.49,27.22 21.23,27.47 21.23,58.33 22.38,59.48 30.76,59.48 31.52,60.24 31.52,78.65 33.49,80.62 38.57,80.62 41.94,83.99 41.94,89.45 40.54,90.85 37.36,90.85 36.22,91.99 36.22,111.67 29.24,118.66 29.24,130.72 39.27,140.76 39.27,147.11 40.67,148.5 46.38,148.5 46.76,148.12 46.76,134.41 43.08,130.72 34.57,130.72
VCC_1V8_S0 on L6-S2: 31.9,47.54 31.9,51.6 32.35,52.05 48.48,52.05 49.94,53.51 75.08,53.51 80.29,48.3 118.9,48.3 124.87,54.27 153.19,54.27 154.97,56.05 154.97,85.77 156.36,87.16 156.36,92.12 158.65,94.4 158.9,94.4 159.92,95.42 159.16,96.18 111.66,96.18 105.69,90.21 105.69,88.81 105.31,88.43 105.31,87.54 105.18,87.42 104.93,87.42 104.93,89.19 104.42,89.7 104.42,93.89 108.48,97.96 138.71,97.96 138.96,98.21 138.96,101.26 138.2,102.02 133.63,102.02 133.38,101.77 133.38,101.51 133.12,101.26 130.07,101.26 128.93,102.4 103.02,102.4 98.2,97.58 98.2,93 97.56,92.37 96.55,92.37 96.04,92.88 96.04,94.91 96.55,95.42 96.55,99.74 100.23,103.42 122.83,103.42 123.22,103.8 140.74,103.8 141.76,102.78 157.76,102.78 160.3,105.32 160.3,108.37 159.79,108.88 159.79,113.96 160.68,114.85 162.08,114.85 162.97,115.74 162.97,121.58 155.98,128.56 155.98,130.47 156.49,130.98 158.01,130.98 166.27,122.72 166.27,87.92 162.65,84.31 160.74,84.31 160.3,83.86 160.3,73.45 164.36,69.38 164.36,58.84 164.3,58.78 164.3,53.06 162.71,51.48 154.71,51.48 151.92,48.68 133.25,48.68 128.8,44.24 69.62,44.24 68.35,45.51 56.41,45.51 55.4,44.49 53.24,44.49 52.48,43.73 46.63,43.73 46.38,43.98 38.51,43.98 38.25,43.73 35.71,43.73
VCC_1V8_S3 on TOP: 40.92,153.33 40.79,153.46 39.14,153.46 39.01,153.33 39.01,151.68 39.14,151.55 40.79,151.55 40.92,151.68
VCC_1V8_S3 on TOP: 79.78,136.69 79.78,136.06 80.04,135.8 80.8,135.8 80.92,135.93 80.92,136.18 80.67,136.44 80.67,136.82 80.54,136.95 80.04,136.95
VCC_1V8_S3 on TOP: 131.85,139.36 131.85,140.88 131.98,141.01 131.98,143.93 131.72,144.19 131.72,146.73 131.34,147.11 128.55,147.11 127.03,145.58 112.55,145.58 112.29,145.84 112.29,148.5 112.93,149.14 126.64,149.14 126.9,148.88 132.74,148.88 133.25,148.38 133.25,145.71 133.38,145.58 133.38,140.88 133.5,140.76 133.5,139.49 133.38,139.36
VCC_1V8_S3 on BOTTOM: 79.91,137.45 79.78,137.33 79.78,136.06 79.99,135.85 80.72,135.85 80.84,135.97 80.84,136.27 80.8,136.31 80.8,137.33 80.67,137.45
VCC_1V8_S3 on BOTTOM: 51.47,84.12 51.34,84.24 51.34,84.62 51.08,84.88 50.32,84.88 50.2,84.75 48.8,84.75 48.67,84.88 48.67,86.78 48.8,86.91 51.08,86.91 51.21,86.78 51.21,85.39 51.26,85.34 52.14,85.34 52.23,85.26 52.23,84.5 52.35,84.37 52.35,84.24 52.23,84.12
VCC_1V8_S3 on BOTTOM: 32.41,137.33 32.41,136.44 32.16,136.18 32.16,135.8 32.28,135.68 33.3,135.68 33.43,135.8 33.43,137.33 33.3,137.45 32.54,137.45
VCC_1V8_S3 on L3-POWER1: 42.7,140.12 42.7,148.12 39.65,151.17 39.65,153.84 39.9,154.09 42.95,154.09 45.87,151.17 45.87,136.57 45.62,136.31 43.71,136.31 43.59,136.44 43.59,139.23
VCC_1V8_S3 on L3-POWER1: 50.7,96.81 50.7,95.67 50.32,95.29 50.32,93.51 50.44,93.39 50.44,65.7 47.27,62.52 47.27,46.27 46.38,45.38 46.38,40.43 46.13,40.17 44.86,40.17 44.73,40.3 44.73,57.57 45.49,58.33 45.49,63.16 48.41,66.08 48.41,67.73 49.3,68.62 49.3,79.54 48.41,80.43 48.41,91.73 47.9,92.24 47.9,96.43 48.54,97.07 50.44,97.07
VCC_1V8_S3 on L3-POWER1: 68.35,137.2 67.97,136.82 67.97,121.71 72.16,117.52 72.16,103.04 72.67,102.53 72.67,96.81 74.07,95.42 74.07,94.91 74.45,94.53 74.45,93.13 76.73,90.85 79.78,90.85 80.16,90.46 84.35,90.46 85.5,89.32 86.89,89.32 88.04,88.18 89.94,88.18 90.32,87.8 90.32,85.51 90.58,85.26 92.1,85.26 92.23,85.38 92.23,85.77 91.85,86.15 91.85,87.8 90.96,88.69 88.42,88.69 88.1,89 88.16,89.07 88.16,89.58 87.66,90.08 87.66,90.21 83.97,93.89 79.15,93.89 78.13,92.88 77.5,92.88 75.97,94.4 75.97,119.8 70.64,125.14 70.64,134.53 71.4,135.3 71.4,136.95 71.15,137.2
VCC_1V8_S3 on L4-GND2: 77.88,138.85 77.88,136.06 78.64,135.3 84.73,135.3 90.58,141.14 105.05,141.14 109.37,145.46 113.44,145.46 114.2,146.22 114.2,149.52 113.69,150.03 105.82,150.03 100.99,145.2 84.23,145.2
VCC_1V8_S3 on L6-S2: 76.1,94.91 76.1,97.45 74.7,98.85 48.92,98.85 48.03,97.96 48.03,96.56 49.56,95.04 65.43,95.04 66.7,93.77 74.96,93.77
VCC_1V8_S3 on L6-S2: 80.8,136.44 81.18,136.06 81.18,135.04 79.65,133.52 62.64,133.52 61.49,134.66 32.66,134.66 32.03,135.3 32.03,136.31 33.17,137.45 64.54,137.45 65.3,136.69 71.34,136.69 71.59,136.44
VCC_1V8_S3 on L6-S2: 55.4,80.81 56.04,81.45 56.04,82.97 55.91,83.1 55.02,83.1 55.02,83.1 54.64,83.1 54.51,82.97 52.1,82.97 51.72,83.35 51.72,83.86 51.85,83.99 52.23,83.99 52.35,84.12 52.35,85.13 50.19,87.29 48.41,87.29 48.03,86.91 48.03,84.37 51.59,80.81
VCC_1V8_VGA on BOTTOM (solid shape): 28.73,126.02 28.73,123.1 28.6,122.98 26.31,122.98 26.19,123.1 26.19,124.37 26.19,124.37 26.19,125.52 26.6,125.52 26.6,125.46 26.61,125.41 26.63,125.36 26.66,125.32 26.69,125.28 26.73,125.24 26.77,125.21 26.82,125.19 26.87,125.17 26.92,125.16 26.98,125.16 27.03,125.17 27.08,125.19 27.13,125.21 27.17,125.24 27.21,125.28 27.24,125.32 27.27,125.36 27.29,125.41 27.3,125.46 27.3,125.52 27.3,125.54 27.61,125.54 27.61,125.49 27.62,125.44 27.64,125.39 27.66,125.34 27.69,125.3 27.72,125.26 27.77,125.22 27.81,125.2 27.86,125.18 27.91,125.17 27.97,125.16 28.02,125.17 28.07,125.18 28.12,125.2 28.16,125.22 28.21,125.26 28.24,125.3 28.27,125.34 28.29,125.39 28.31,125.44 28.32,125.49 28.32,125.54 28.31,125.6 28.29,125.65 28.27,125.69 28.24,125.74 28.21,125.78 28.16,125.81 28.12,125.84 28.07,125.85 28.02,125.87 27.97,125.87 27.91,125.87 27.86,125.85 27.81,125.84 27.77,125.81 27.72,125.78 27.69,125.74 27.66,125.69 27.64,125.65 27.62,125.6 27.61,125.54 27.3,125.54 27.3,125.57 27.29,125.62 27.27,125.67 27.24,125.72 27.21,125.76 27.17,125.79 27.13,125.82 27.08,125.85 27.03,125.86 26.98,125.87 26.92,125.87 26.87,125.86 26.82,125.85 26.77,125.82 26.73,125.79 26.69,125.76 26.66,125.72 26.63,125.67 26.61,125.62 26.6,125.57 26.6,125.52 26.19,125.52 26.19,125.64 25.81,126.02 22.25,126.02 21.62,125.39 21.62,122.21 21.54,122.14 20.93,122.14 20.8,122.27 20.8,126.74 21.62,127.55 27.2,127.55